# KiCad board TESTMOUNT.kicad_pcb (continued)
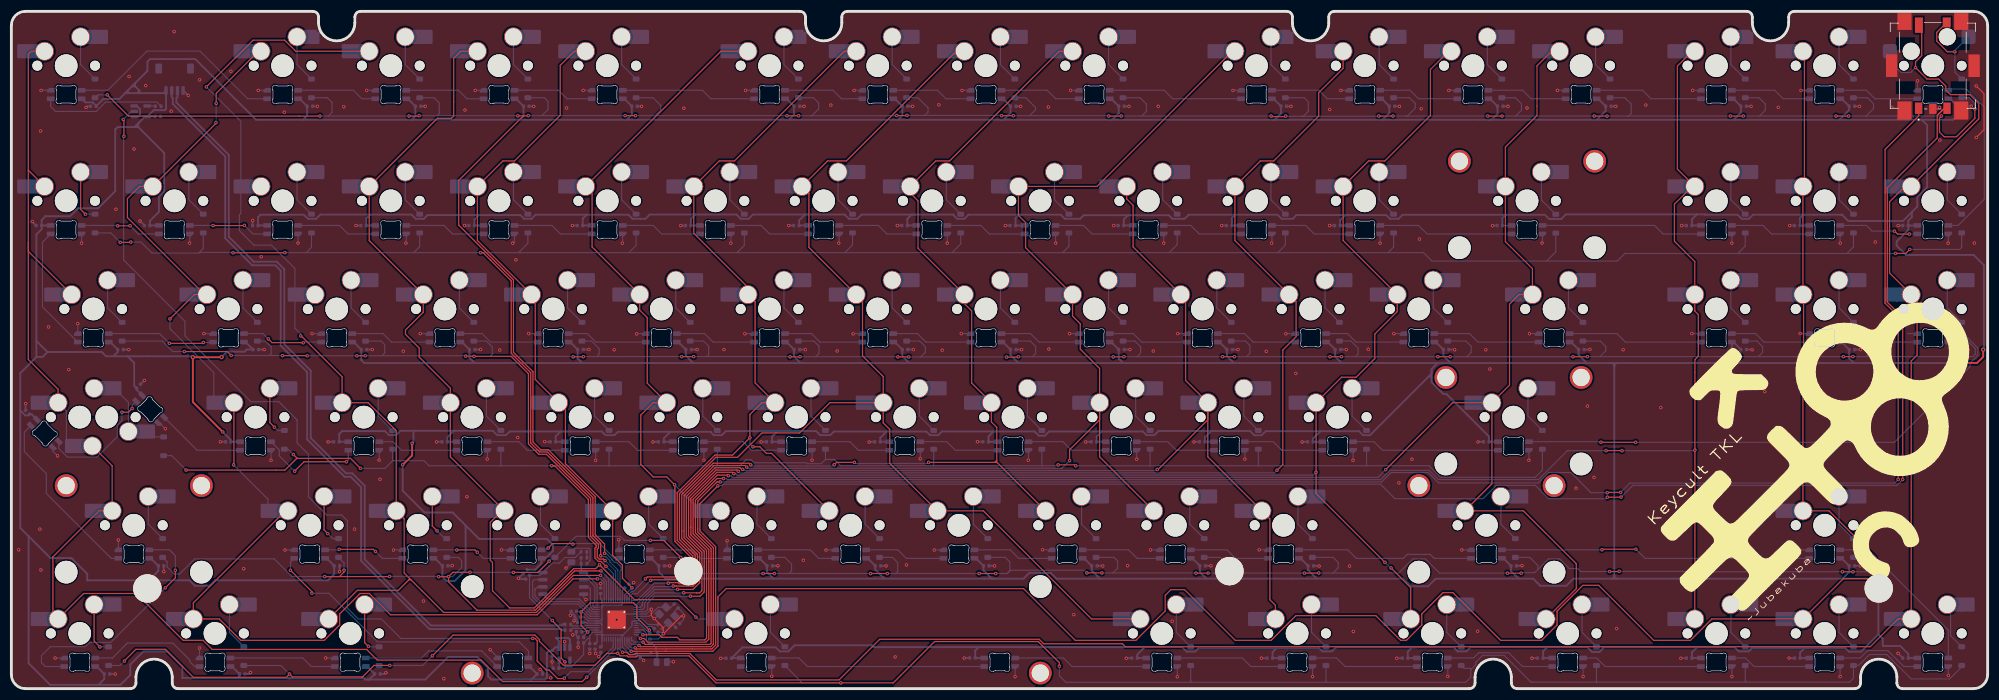
[diagram p0: board, top side]
## Routing (per net, layer and track width the routed paths; a pad name or vN(x,y) marks a point on that pad's centre or on a via; arc(x,y) is an arc through that point) (continued)
Net-(LED43-DOUT): length 14.2
  Bottom w0.2: LED43.2 179.42,62.55 180.92,61.05 LED44.3
Net-(LED44-DOUT): length 14.2
  Bottom w0.2: LED44.2 197.49,62.55 198.99,61.05 LED45.3
Net-(LED45-DOUT): length 14.2
  Bottom w0.2: LED45.2 217.09,62.55 218.59,61.05 LED46.3
Net-(LED46-DOUT): length 14.2
  Bottom w0.2: LED47.3 236.72,61.05 235.22,62.55 LED46.2
Net-(LED47-DOUT): length 19
  Bottom w0.2: LED47.2 256.69,62.55 258.19,61.05 268.86,61.05
Net-(LED48-DOUT): length 23.7
  Bottom w0.2: LED49.3 284.14,61.05 282.64,62.55 LED48.2
Net-(LED49-DOUT): length 14.2
  Bottom w0.2: LED50.3 308.54,61.05 307.04,62.55 LED49.2
Net-(LED50-DOUT): length 14.2
  Bottom w0.2: LED51.3 327.64,61.05 326.14,62.55 LED50.2
Net-(LED51-DOUT): length 93.3
  Top w0.2: v1(285.95,43.4) v1(279.84,43.4)
  Bottom w0.2: LED51.2 343.65,62.55 346.18,60.02 346.18,58.73 344.8,57.36 344.8,56.73 331.48,43.4 v1(285.95,43.4) ; v1(279.84,43.4) 279.6,43.4 279.5,43.5 LED65.3
Net-(LED52-DIN): length 15.8
  Bottom w0.2: LED54.2 32.71,42 LED52.3
Net-(LED52-DOUT): length 21.9
  Top w0.2: v1(21.26,49.35) 20.6,48.69 v1(19.47,48.69)
  Bottom w0.2: v1(21.26,49.35) 21.26,49.89 LED52.2 ; LED53.3 8.35,42.3 9.84,40.8 15.06,40.8 18.65,44.39 18.65,46.38 19.47,47.19 v1(19.47,48.69)
Net-(LED53-DOUT): length 31.5
  Bottom w0.2: LED66.3 17.58,22.95 6.15,34.38 6.15,37.88 2.28,41.75 2.28,45.19 LED53.2
Net-(LED54-DIN): length 18.9
  Top w0.2: 58.99,39.99 v1(58.99,39.97) 51.53,39.97 v1(49.87,38.31)
  Bottom w0.2: LED54.3 47.17,42.05 47.17,41.01 v1(49.87,38.31) ; v1(58.99,39.97) 59.31,40.29 LED55.2
Net-(LED55-DIN): length 14.2
  Bottom w0.2: LED56.2 68.65,42 67.15,43.5 LED55.3
Net-(LED56-DIN): length 14.2
  Bottom w0.2: LED56.3 89.32,43.5 90.82,42 LED57.2
Net-(LED57-DIN): length 14.2
  Bottom w0.2: LED58.2 110.22,42 108.72,43.5 102.86,43.5
Net-(LED58-DIN): length 14.2
  Bottom w0.2: LED58.3 128.82,43.5 130.32,42 135.51,42
Net-(LED59-DIN): length 14.2
  Bottom w0.2: LED60.2 149.11,42 147.61,43.5 LED59.3
Net-(LED60-DIN): length 14.2
  Bottom w0.2: LED61.2 166.17,42 164.67,43.5 160.01,43.5
Net-(LED61-DIN): length 14.2
  Bottom w0.2: LED61.3 185.11,43.5 186.61,42 192.66,42
Net-(LED62-DIN): length 14.2
  Bottom w0.2: LED62.3 203.57,43.5 205.07,42 LED63.2
Net-(LED63-DIN): length 14.2
  Bottom w0.2: LED63.3 222.15,43.5 223.65,42 LED64.2
Net-(LED64-DIN): length 26.1
  Bottom w0.2: 236.21,43.5 239.88,43.5 241.38,42 LED65.2
Net-(LED66-DOUT): length 43.7
  Top w0.2: v1(28.87,20.85) 28.87,19.53 v1(27.09,17.75)
  Bottom w0.2: v1(27.09,17.75) 17.47,8.13 13.75,8.13 13,7.39 6.85,7.39 5.3,5.83 5.3,4.56 5.96,3.9 LED79.3 ; v1(28.87,20.85) 28.87,23.42 27.84,24.45 LED66.2
Net-(LED67-DIN): length 51.6
  Top w0.2: v1(52.91,16.81) 52.91,17.08 v1(49.14,20.85)
  Bottom w0.2: v1(52.91,16.81) 55.89,16.81 64.46,8.24 89.41,8.24 91.04,6.61 91.04,5.45 LED82.2 ; LED67.3 49.14,22.3 v1(49.14,20.85)
Net-(LED67-DOUT): length 14.3
  Top w0.2: v1(57.7,24.53) 63.74,24.53 v1(64.11,24.16)
  Bottom w0.2: LED68.3 65.32,22.95 v1(64.11,24.16) ; LED67.2 57.62,24.45 v1(57.7,24.53)
Net-(LED68-DOUT): length 14.2
  Top w0.2: v1(78.42,24.43) 81.62,24.43 v1(82.02,24.03)
  Bottom w0.2: LED68.2 78.4,24.45 v1(78.42,24.43) ; LED69.3 83.1,22.95 v1(82.02,24.03)
Net-(LED69-DOUT): length 15.2
  Top w0.2: v1(94.5,24.77) 95.29,25.56 98.76,25.56 v1(98.87,25.45)
  Bottom w0.2: v1(94.5,24.77) 94.18,24.45 LED69.2 ; LED70.3 106.16,22.95 103.55,25.56 98.97,25.56 v1(98.87,25.45)
Net-(LED70-DOUT): length 14.2
  Bottom w0.2: LED70.2 119.77,24.45 121.27,22.95 LED71.3
Net-(LED71-DOUT): length 14.2
  Bottom w0.2: LED71.2 140.65,24.45 142.15,22.95 LED72.3
Net-(LED72-DOUT): length 14.2
  Bottom w0.2: LED72.2 156.06,24.45 157.56,22.95 LED73.3
Net-(LED73-DOUT): length 14.2
  Bottom w0.2: LED74.3 177.33,22.95 175.83,24.45 LED73.2
Net-(LED74-DOUT): length 14.2
  Bottom w0.2: LED75.3 198.18,22.95 196.68,24.45 LED74.2
Net-(LED75-DOUT): length 14.2
  Bottom w0.2: LED75.2 214.01,24.45 215.51,22.95 LED76.3
Net-(LED76-DOUT): length 31.5
  Bottom w0.2: LED77.3 250.48,22.95 249.78,23.65 245.72,23.65 245.03,22.96 245.03,22.95 236.76,22.95 235.26,24.45 LED76.2
Net-(LED77-DOUT): length 54.8
  Top w0.2: v1(280.02,24.47) 280.11,24.56 v1(285.99,24.56)
  Bottom w0.2: v1(285.99,24.56) 287.6,22.95 LED78.3 ; LED77.2 280,24.45 v1(280.02,24.47)
Net-(LED78-DOUT): length 29.8
  Bottom w0.2: LED78.2 326.86,24.45 340.99,10.32 LED89.3
Net-(LED79-DOUT): length 21.3
  Bottom w0.2: LED79.2 17.79,5.4 20.11,7.72 20.11,7.73 20.41,8.03 28.43,8.03 31.4,5.06 31.4,4.76 32.27,3.9 LED80.3
Net-(LED80-DOUT): length 19
  Bottom w0.2: LED80.2 51.3,5.4 52.8,3.9 LED81.3
Net-(LED81-DOUT): length 24.8
  Bottom w0.2: LED81.2 72.2,5.4 73.46,6.66 82.78,6.66 LED82.3
Net-(LED83-DIN): length 19
  Bottom w0.2: LED84.2 218.21,3.9 216.71,5.4 LED83.3
Net-(LED83-DOUT): length 23.7
  Bottom w0.2: LED83.2 186.72,3.9 185.22,5.4 LED90.3
Net-(LED84-DIN): length 19
  Bottom w0.2: LED84.3 233.3,5.4 234.8,3.9 LED85.2
Net-(LED85-DIN): length 19.7
  Bottom w0.2: LED86.2 266.02,3.9 263.6,6.32 258.34,6.32 257.42,5.4 LED85.3
Net-(LED86-DIN): length 21.4
  Bottom w0.2: LED87.2 280.58,3.9 279.08,5.4 LED86.3
Net-(LED87-DIN): length 14.2
  Bottom w0.2: LED88.2 306.77,3.9 305.27,5.4 LED87.3
Net-(LED88-DIN): length 15.3
  Bottom w0.2: LED89.2 333.15,3.9 330.35,6.7 326.77,6.7 325.47,5.4 LED88.3
Net-(LED90-DOUT): length 38
  Bottom w0.2: LED92.3 138.65,5.4 140.15,3.9 LED90.2
Net-(R1-Pad1): length 1.5
  Bottom w0.2: U1.4 25.28,102.65 R1.1
Net-(R3-Pad2): length 1.1
  Bottom w0.2: R4.1 101.32,24.11 R3.2
Net-(R5-Pad1): length 6.4
  Bottom w0.2: TP2.2 99.22,24.74 101.63,24.74 101.89,24.48 101.89,22.58 R5.1
Net-(U3-USB_DM): length 4.8
  Bottom w0.2: R7.2 98.81,10.64 101.23,10.64 101.33,10.74 U3.46
Net-(U3-USB_DP): length 4.8
  Bottom w0.2: R6.1 98.75,11.04 101.04,11.04 101.14,11.14 U3.47

## Copper pours and planes (outline as drawn; the poured copper is in the pictures)
GND on Top, Bottom: 369.88,129.02 369.88,-75.77 -82.56,-75.77 -82.56,129.02

## Text on the board
B.Silkscreen: ·BOOT | ·Reset
F.Silkscreen: ~Jubakuba | Keycult TKL
